# Allegro board RK3588S_Template_LP4XD200P232SD10H2_30X30_2133MHz_H1R6_V11_20220218YWQ.brd (continued)
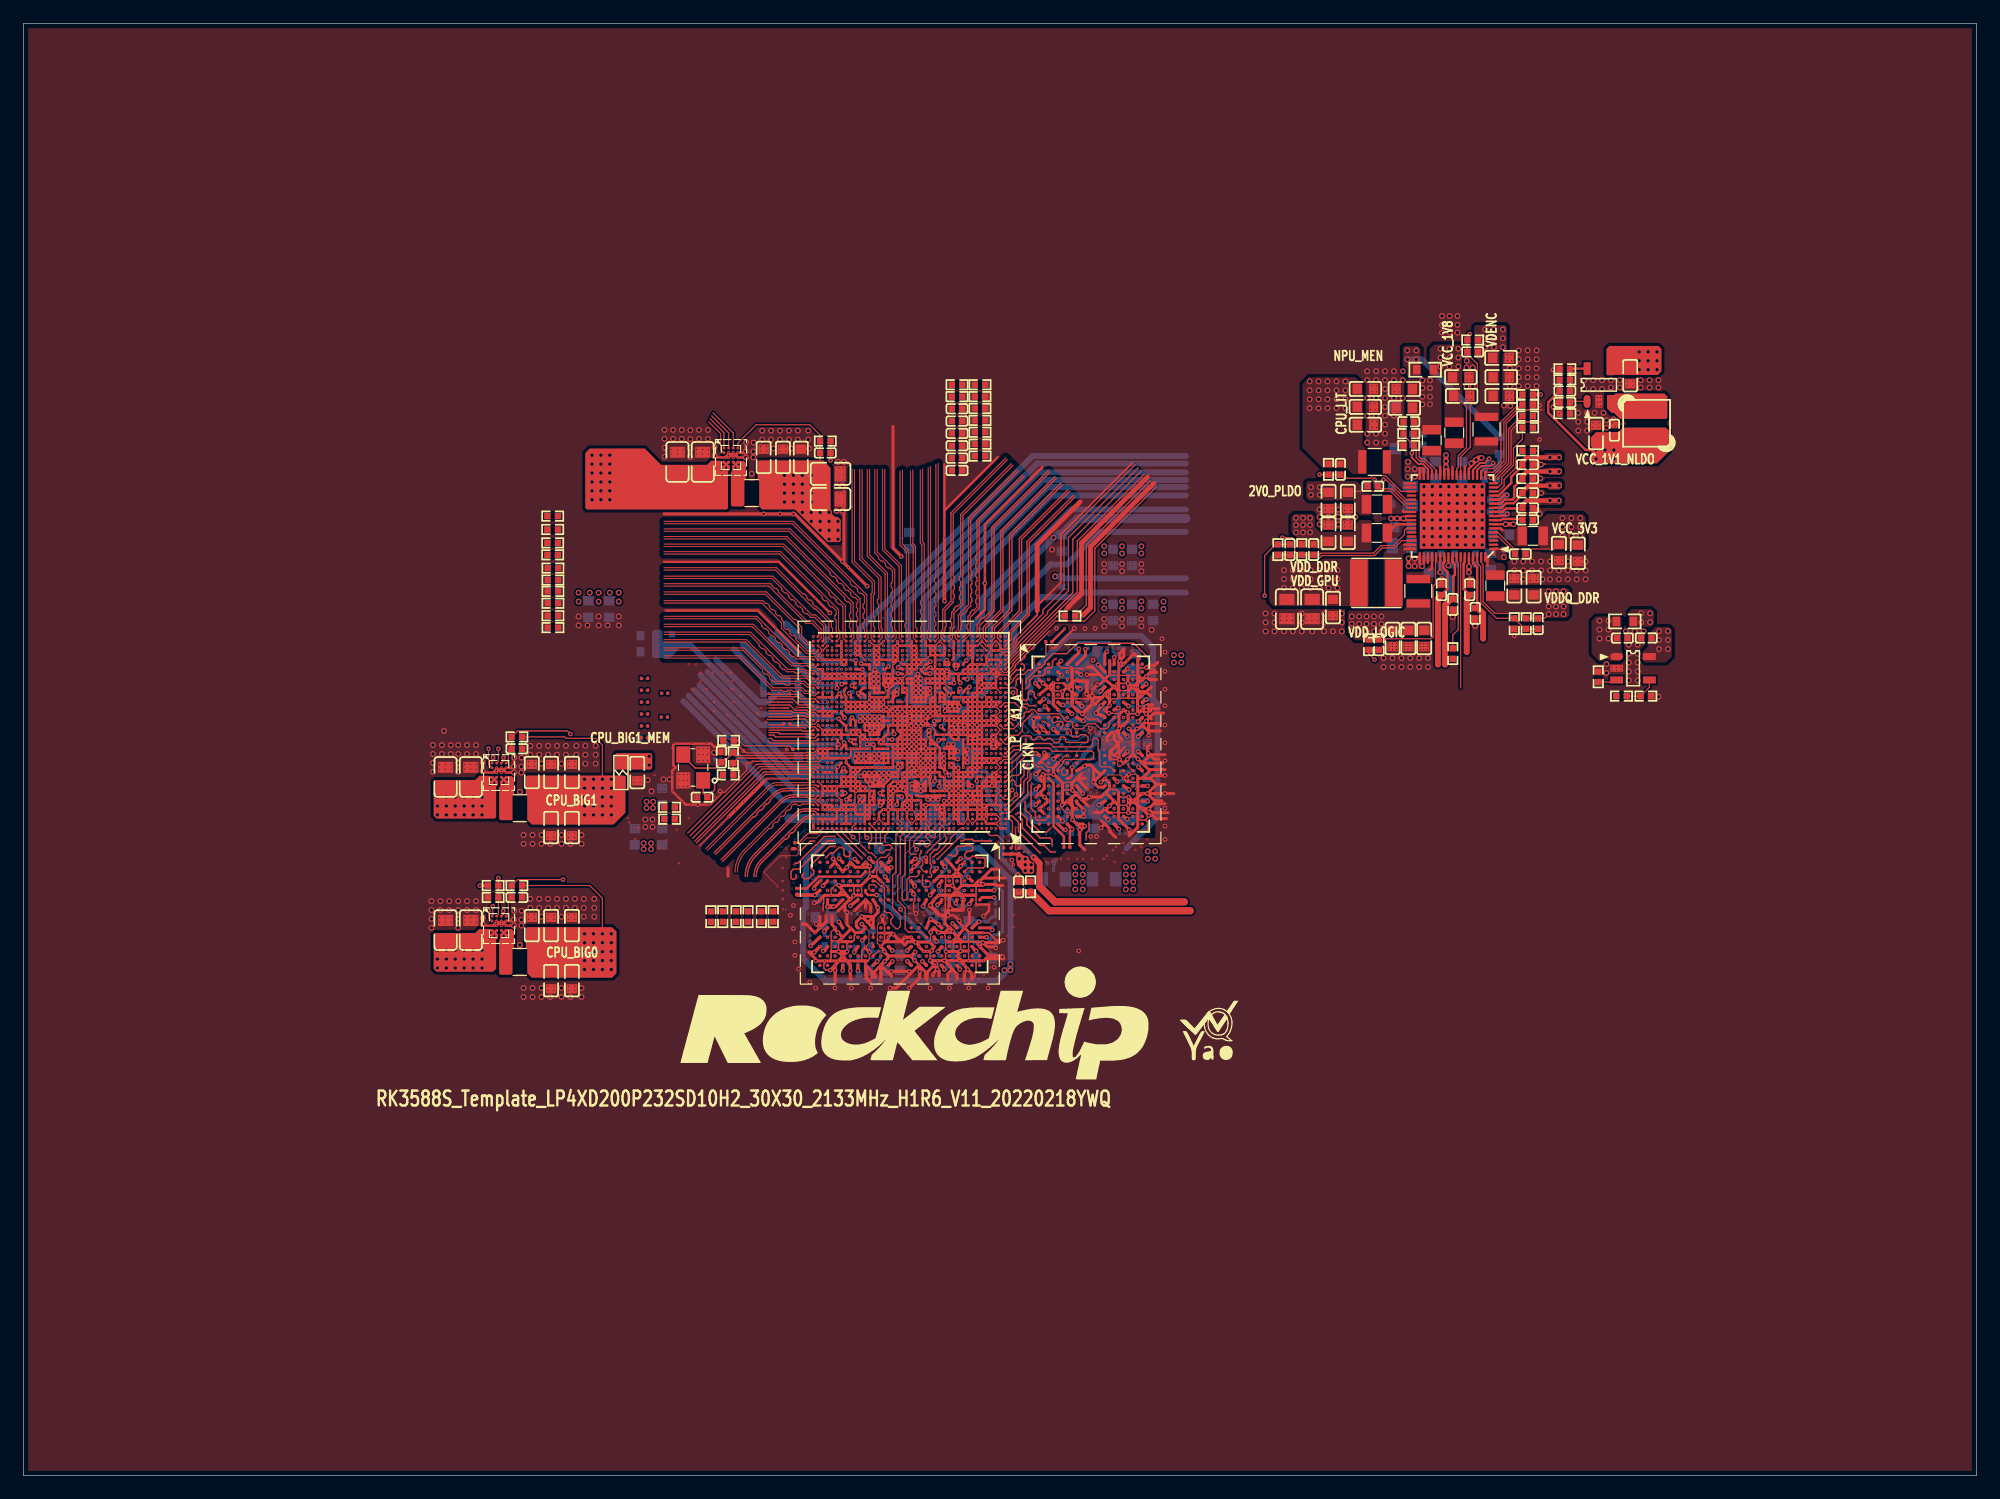
[diagram p0: board, top side]
## Routing (per net, layer and track width the routed paths; a pad name or vN(x,y) marks a point on that pad's centre or on a via; arc(x,y) is an arc through that point) (continued)
  TOP w0.203: v7(75.89,69.7) v2(75.89,69.3) ; v7(75.89,69.7) v7(75.89,70.1) ; v7(75.89,69.7) v7(76.69,69.7) ; v2(75.89,69.3) v2(76.29,69.3) ; v2(75.89,69.3) v7(75.49,69.3) ; v2(75.89,69.3) v2(75.89,68.9) ; v7(83.09,68.5) v7(83.09,68.9) v2(82.69,68.9) 82.69,68.57 82.63,68.5 ; v7(83.09,68.5) v2(83.49,68.5) ; v7(83.09,68.5) v7(82.69,68.5) 82.63,68.5 ; v7(83.09,68.5) v2(83.09,68.1) 83.09,67.74 ; v2(74.29,67.7) 74.29,67.53 73.89,67.13 ; v2(74.29,67.7) v2(75.09,67.7) ; v2(74.29,67.7) U1000.AM27 ; v2(74.29,67.7) 74.08,67.91 v1(73.9,67.91) 73.7,67.91 U1000.AM27 ; v2(74.29,67.7) v2(74.29,68.1) ; v7(83.09,66.1) v7(83.09,65.7) v7(82.69,65.7) ; v2(81.89,63.3) v2(81.49,63.3) ; v2(81.89,63.3) v7(81.89,62.9) ; v2(81.89,63.3) v2(81.89,63.7) ; v2(81.49,63.3) 81.49,63.15 ; v2(81.49,63.3) v2(81.09,63.3) ; v2(81.49,63.3) v2(81.49,63.7) ; v2(75.09,63.7) v2(74.69,63.7) ; v2(75.09,63.7) v7(75.09,64.1) ; v2(75.09,63.7) v2(75.09,63.3) ; v2(75.09,63.7) v7(75.49,63.7) ; v2(74.69,63.7) v2(75.09,63.3) ; v2(74.69,63.7) v7(74.69,64.1) ; v7(81.53,45.61) 81.91,45.61 v1(81.99,45.54) 81.99,45.49 v2(81.7,45.2) 81.53,45.37 v7(81.53,45.61) ; v7(81.53,45.61) v7(80.77,45.61) 80.26,45.61 ; v2(77.89,70.1) 77.49,70.1 v7(77.49,70.5) ; v2(77.89,70.1) v7(77.89,70.5) ; v2(77.89,70.1) v7(78.29,70.1) v2(78.69,70.1) v7(78.69,70.5) v7(78.69,70.9) ; v2(77.89,70.1) v7(77.89,69.7) v2(77.89,69.3) v2(77.89,68.9) ; 74.69,70.94 v2(74.69,71.3) ; 74.69,70.94 v7(74.69,70.54) ; 74.69,70.94 v1(74.66,70.9) ; v1(76.29,62.5) 76.29,62.09 v1(76.3,62.08) ; v1(76.29,62.5) v2(76.69,62.5) ; v1(76.29,62.5) v1(76.29,62.9) ; v1(76.29,62.5) v1(75.89,62.5) ; U1000.U20 76.3,61.71 v1(76.3,62.08) ; U1000.U20 76.29,61.67 ; U1000.U20 v7(77.09,61.7) ; v2(75.09,63.3) 75.01,63.3 74.69,62.98 v2(74.69,62.9) ; v2(75.09,63.3) v7(75.49,63.3) ; v2(75.09,63.3) v7(75.09,62.9) ; v7(82.68,64.52) v7(82.31,64.52) U1000.AD5 ; v7(82.68,64.52) v2(83.08,64.52) U1000.AD3 ; v7(82.68,64.52) 82.69,64.5 v7(82.69,64.1) ; v7(82.68,64.52) 82.68,64.87 v7(82.69,64.89) 82.73,64.92 v2(83.08,64.92) 83.09,64.91 U1000.AD3 ; v2(79.49,63.3) 79.07,63.3 ; v2(79.49,63.3) v2(79.89,63.3) ; v2(79.49,63.3) v2(79.49,63.7) ; 79.07,63.3 79.47,62.9 v2(79.89,62.9) v2(79.89,63.3) ; 79.07,63.3 v2(78.69,63.3) v2(78.29,63.3) v2(77.89,63.3) v2(77.89,63.7) ; 79.07,63.3 79.13,63.36 v2(79.13,63.7) ; v7(81.09,70.5) v7(80.69,70.5) ; v7(81.09,70.5) v2(81.09,70.1) ; v7(81.09,70.5) v7(81.09,70.9) ; v7(80.69,70.5) v2(80.69,70.1) v2(81.09,70.1) ; v7(80.69,70.5) v7(80.69,70.9) ; v2(79.89,58.9) v2(79.49,58.9) v2(79.09,58.9) ; v2(79.89,58.9) v1(79.89,58.5) ; v2(79.89,58.9) v2(79.89,59.3) ; v2(79.89,58.9) v2(80.29,58.9) ; v2(71.09,65.7) 71.09,66.08 71.07,66.1 ; v2(71.09,65.7) v2(71.09,65.3) ; v2(71.09,65.7) v2(70.69,65.7) ; v2(71.09,65.7) v2(71.49,65.7) ; v7(80.69,68.9) v7(80.37,68.9) 80.29,68.82 v2(80.29,68.5) ; v7(80.69,68.9) 80.69,69.1 80.9,69.3 v2(81.09,69.3) ; v7(80.69,68.9) v2(80.69,68.5) ; v7(80.69,68.9) v7(81.15,68.9) v7(81.48,68.9) 81.49,68.88 ; v2(75.09,67.3) v7(75.49,67.3) v7(75.49,66.9) ; v2(75.09,67.3) v2(75.09,67.7) ; v2(75.09,67.3) 75.09,66.9 v7(75.49,66.9) ; v3(73.56,45.54) 73.25,45.23 U3801.P10 ; v2(93.19,61.52) 93.31,61.52 93.58,61.26 ; v2(93.19,61.52) 93.58,61.91 93.58,62.59 v2(93.73,62.74) ; v2(93.19,61.52) 92.94,61.77 ; v2(78.69,64.9) v2(79.09,64.9) ; v2(78.69,64.9) v2(77.89,64.9) ; v2(78.69,64.9) v7(78.69,64.5) v2(79.09,64.5) ; v2(79.09,64.9) v2(79.49,64.9) ; v2(79.09,64.9) v2(79.09,64.5) ; v2(76.71,60.12) 76.71,59.72 v7(76.69,59.7) ; v2(76.71,60.12) 76.69,60.14 v7(76.69,60.5) ; v2(76.71,60.12) 76.63,60.05 v1(76.4,60.05) ; v2(76.71,60.12) 76.73,60.1 v2(77.09,60.1) ; v1(73.51,65.66) 73.51,66.01 v1(73.46,66.07) 73.42,66.1 v2(73.09,66.1) ; v1(73.51,65.66) 73.47,65.7 v7(73.09,65.7) ; v1(73.51,65.66) 73.53,65.63 v1(73.96,65.63) ; v1(72.38,57.88) 72.6,58.1 v2(72.69,58.1) ; v1(72.38,57.88) 72.29,57.96 v2(72.29,58.5) ; v1(72.38,57.88) 72.29,57.79 72.29,57.3 ; v1(72.38,57.88) 72.55,57.7 v2(72.69,57.7) ; v7(76.69,59.7) 76.71,59.68 v2(76.71,59.39) ; v7(76.69,59.7) 76.68,59.72 76.43,59.72 ; v7(76.69,59.7) v7(77.09,59.7) ; v2(77.49,65.7) v2(77.49,66.1) ; v2(77.49,65.7) v2(77.89,65.7) ; v2(77.49,65.7) v7(77.49,65.3) ; v2(77.49,65.7) v2(77.09,65.7) ; v2(77.49,66.1) v2(77.89,66.1) ; v2(77.49,66.1) v2(77.49,66.42) 77.62,66.42 77.7,66.5 v2(77.89,66.5) ; v7(73.89,58.5) v7(73.89,58.9) ; v7(73.89,58.5) v7(73.89,58.09) ; v7(73.89,58.5) 74.35,58.5 ; v7(73.89,58.9) v2(74.29,58.9) ; v7(73.89,58.9) 74.29,59.3 v7(74.69,59.3) ; v2(73.49,62.9) v2(72.29,62.9) v2(71.89,62.9) ; v2(73.49,62.9) v7(73.49,62.51) 73.48,62.5 ; v2(73.49,62.9) 73.49,63.1 73.7,63.3 v2(73.89,63.3) v7(73.89,64.1) v7(74.29,64.1) ; v1(81.06,64.15) 80.46,64.15 v1(80.42,64.11) ; v1(81.06,64.15) 81.09,64.19 ; v1(81.06,64.15) v1(81.46,64.15) ; v2(79.09,64.5) v2(79.49,64.5) ; v2(79.09,64.5) 79.09,64.06 ; v2(79.49,64.5) 79.49,64.27 ; v2(79.49,64.5) v2(79.89,64.5) ; v2(79.49,64.5) v2(79.49,64.9) ; v2(75.49,57.7) 75.38,57.7 75.09,57.41 v2(75.09,57.3) ; v2(75.49,57.7) v2(75.49,58.1) ; v2(75.49,57.7) v2(75.49,56.5) v7(75.49,56.1) ; v2(75.49,57.7) v2(75.89,57.7) ; v7(75.49,58.9) v7(75.09,58.9) ; v7(75.49,58.9) v2(75.49,59.3) ; v7(75.49,58.9) v2(75.49,58.5) ; v7(75.09,58.9) 75.09,58.66 v1(75.18,58.57) ; v7(75.09,58.9) 74.75,58.9 v1(74.73,58.93) 74.69,58.96 ; v7(75.09,58.9) v2(74.29,58.9) ; v7(75.09,58.9) v2(75.09,59.3) ; v2(73.09,66.5) v2(73.49,66.5) ; v2(73.09,66.5) v2(72.69,66.5) ; v2(73.09,66.5) v2(73.09,66.1) ; v2(73.49,66.5) v7(73.49,65.3) ; v2(73.49,66.5) v2(73.89,66.5) v2(73.89,66.9) 73.89,67.13 ; v2(70.29,65.7) v2(70.69,65.7) ; v2(70.29,65.7) v2(70.29,65.3) v2(70.69,65.3) ; v2(70.29,65.7) v7(70.29,66.1) ; v2(70.69,65.7) v2(70.69,65.3) ; v2(70.69,65.7) 70.69,66.1 v7(70.69,66.1) ; v7(69.89,70.9) v7(69.49,70.9) ; v7(69.89,70.9) v7(69.89,70.5) v2(69.89,70.1) v7(69.89,69.7) ; v7(69.89,70.9) v7(69.89,71.3) ; v1(72.26,65.66) 72.22,65.7 v2(71.89,65.7) ; v1(72.26,65.66) 72.3,65.7 v7(72.69,65.7) ; v1(72.26,65.66) v1(72.26,66.07) ; v2(75.89,65.3) v2(75.54,65.3) 75.49,65.26 ; v2(75.89,65.3) v2(75.89,65.7) ; v2(75.89,65.3) v7(76.29,65.3) ; v2(75.89,65.3) 75.89,64.01 ; 77.43,64.1 v2(77.09,64.1) ; 77.43,64.1 v2(77.49,64.1) ; 77.43,64.1 v1(77.06,64.47) ; v2(77.09,64.1) 77.06,64.13 v1(77.06,64.47) ; v2(77.09,64.1) 76.72,64.1 76.69,64.07 ; v2(81.09,65.3) v2(81.09,64.9) v2(81.09,64.5) ; v2(81.09,65.3) v2(80.69,65.3) ; v2(81.09,65.3) v2(81.09,65.7) ; v2(81.09,65.3) v2(81.49,65.3) ; 74.57,68.1 74.6,68.07 74.68,68.07 v1(74.73,68.02) ; 74.57,68.1 v2(74.29,68.1) ; 74.57,68.1 v2(75.09,68.1) v2(75.09,67.7) ; U1000.V19 76.67,62.08 v1(76.3,62.08) ; U1000.V19 v2(76.69,62.5) ; U1000.V19 77.09,62.1 v1(77.11,62.13) ; U1000.V19 76.69,61.71 v1(76.66,61.67) v1(76.66,61.26) ; v2(81.89,68.1) v2(81.89,66.9) v2(81.49,66.9) ; v2(81.89,68.1) v2(81.89,68.5) ; v2(81.89,68.1) v2(81.49,68.1) ; v7(74.69,59.3) 74.69,58.96 ; v7(74.69,59.3) v2(75.09,59.3) ; v2(74.29,57.7) 74.22,57.63 v7(74.22,57.33) ; v2(74.29,57.7) 73.92,57.7 v2(73.89,57.67) v7(73.89,57.33) ; v2(74.29,57.7) v2(74.29,58.1) ; v2(73.09,69.7) 73.1,69.69 v2(73.1,69.27) 72.73,69.27 v2(72.69,69.3) v7(72.69,69.7) ; v2(73.09,69.7) v7(72.69,69.7) ; v2(73.09,69.7) 73.09,70.21 ; v2(73.09,69.7) v2(74.29,69.7) ; v1(75.9,60.45) 75.89,60.46 v7(75.89,60.9) ; v1(75.9,60.45) v1(76.3,60.45) ; v1(75.9,60.45) 75.89,60.45 v7(75.89,60.1) ; v7(70.29,68.5) v7(70.69,68.5) ; v7(70.29,68.5) v2(70.29,68.1) ; v7(70.29,68.5) 70.02,68.5 ; v7(70.69,68.5) v7(71.09,68.5) ; v7(70.69,68.5) v2(70.69,68.1) ; v2(70.69,65.3) v2(71.09,65.3) ; v1(75.89,62.5) v1(75.89,62.9) v1(75.89,63.3) ; v1(75.89,62.5) 75.89,62.08 v1(75.9,62.08) ; v1(75.89,62.5) v7(75.49,62.5) ; v2(76.5,43.6) 76.5,43.66 v1(76.15,44.01) 75.85,44.31 v2(75.85,44.4) ; v1(80.91,63.01) 81.02,62.9 v7(81.89,62.9) ; v1(80.91,63.01) 81.09,63.2 ; v1(80.91,63.01) 80.69,63.22 ; v2(82.69,67.69) 83.04,67.69 83.09,67.74 ; 93.58,67.88 v7(93.58,68.39) v7(93.58,69.15) ; 71.49,65.8 71.49,66.06 71.45,66.1 ; 71.49,65.8 v2(71.49,65.7) ; 71.49,65.8 v1(71.68,65.99) 71.89,65.78 ; v2(77.89,61.3) 77.89,61.31 v7(77.89,61.7) ; v2(77.89,61.3) 77.89,61.3 v7(77.89,60.9) ; v2(77.89,61.3) 77.52,61.3 77.49,61.33 ; v7(81.89,62.1) v2(81.89,61.7) ; v7(81.89,62.1) v7(81.49,62.1) ; v7(81.89,62.1) v7(81.89,62.9) ; v2(81.89,61.7) v7(81.89,60.5) v2(81.49,60.5) ; v2(81.89,61.7) v2(81.49,61.7) ; v1(76.66,61.26) v1(76.66,60.86) ; v1(76.66,61.26) 76.62,61.3 v2(76.29,61.3) ; v1(76.66,61.26) 76.69,61.3 v2(77.09,61.3) ; v1(76.66,60.86) 76.66,60.53 v7(76.69,60.5) ; v1(76.66,60.86) 77.04,60.86 v1(77.06,60.88) ; v1(76.66,60.86) 76.62,60.9 v2(76.29,60.9) ; v1(77.06,64.47) 77.49,64.89 v1(77.49,64.9) ; v1(77.06,64.47) 77.03,64.5 v7(76.69,64.5) ; v1(77.06,64.47) v1(77.06,64.87) ; v7(81.49,62.5) 81.49,63.15 ; v7(81.49,62.5) v7(81.49,62.1) ; v7(81.49,62.5) v7(82.29,62.5) ; v7(81.49,62.5) v7(81.09,62.5) ; 81.49,63.15 v1(81.33,62.99) 81.09,63.23 ; v2(75.89,65.7) v2(76.29,65.7) ; v2(75.89,65.7) v2(75.49,65.7) ; v2(76.29,65.7) v7(76.29,65.3) ; v2(76.29,65.7) v2(76.69,65.7) ; v7(75.49,60.1) v7(75.49,59.7) ; v7(75.49,60.1) 75.21,60.1 75.09,59.98 v7(75.09,59.7) ; v7(75.49,60.1) v7(75.89,60.1) ; v7(75.49,60.1) 75.49,60.5 ; v7(75.49,59.7) v2(75.49,59.3) ; v7(75.49,59.7) v7(75.89,59.7) ; v7(75.49,59.7) v7(75.09,59.7) ; v2(81.09,70.1) v2(81.09,69.7) v2(81.09,69.3) ; v2(75.89,57.3) v2(75.89,56.9) v2(75.09,56.9) ; v2(75.89,57.3) v2(75.89,57.7) ; v2(75.89,57.3) 75.52,57.3 v1(75.51,57.3) 75.51,57.3 v2(75.09,57.3) ; v2(79.75,46) 79.86,46 v2(80.01,45.85) 80.14,45.72 80.14,45.61 80.04,45.71 ; v7(77.49,60.5) v2(77.49,60.1) ; v7(77.49,60.5) v7(77.09,60.5) ; v7(77.49,60.5) v1(77.49,60.9) ; v7(77.49,60.5) v7(77.89,60.5) ; v2(77.49,60.1) v7(77.49,59.7) ; v2(77.49,60.1) v2(77.89,60.1) ; v2(77.49,60.1) v2(77.09,60.1) ; 73.89,67.13 73.79,67.23 v1(73.77,67.23) 73.77,67.25 73.49,67.53 U1000.AM27 ; 73.89,67.13 73.89,68.47 73.86,68.5 ; 81.09,64.19 v2(81.09,63.7) ; 81.09,64.19 v2(81.09,64.5) ; v2(74.69,62.5) v2(73.89,62.5) 73.48,62.5 ; v2(74.69,62.5) v7(75.09,62.5) ; v2(74.69,62.5) v7(74.69,62.1) ; v2(74.69,62.5) v2(74.69,62.9) ; v7(72.69,70.5) v7(72.69,70.9) v7(73.09,70.9) v7(73.09,70.5) ; v7(72.69,70.5) v7(72.69,70.1) ; v7(72.69,70.5) v7(73.09,70.5) ; 71.07,63.3 71.09,63.32 v2(71.09,63.7) ; 71.07,63.3 v2(71.89,63.3) v2(71.89,62.9) ; 71.07,63.3 v7(70.69,63.3) ; 71.07,66.1 v7(71.09,66.1) 71.45,66.1 ; 71.07,66.1 v7(70.69,66.1) ; v7(82.29,66.1) v2(81.86,66.1) ; v7(82.29,66.1) U1000.AJ5 ; v7(82.29,66.1) v7(82.29,65.7) ; v7(82.29,66.1) v7(82.69,66.1) ; v2(81.86,66.1) U1000.AH7 ; v2(81.86,66.1) 81.89,66.07 v2(81.89,65.7) ; U1000.AM27 73.49,68.1 ; v7(74.69,64.1) v7(74.69,64.5) ; v7(74.69,64.1) v7(74.29,64.1) ; v7(74.69,64.1) v7(75.09,64.1) ; v7(74.69,64.5) v7(74.29,64.5) ; v7(74.69,64.5) v2(74.69,64.9) ; v7(74.69,64.5) v7(75.09,64.5) ; v7(77.09,60.5) v7(76.69,60.5) ; v7(77.09,60.5) 77.09,60.86 v1(77.06,60.88) ; v7(77.09,60.5) v2(77.09,60.1) ; v7(68.69,61.3) v7(69.09,61.3) v7(69.49,61.3) v2(69.89,61.3) v2(70.29,61.3) v2(70.29,60.9) U1000.P34 ; v7(68.69,61.3) v7(68.69,61.7) ; v7(68.69,61.3) v7(68.29,61.3) v7(68.29,61.7) ; 82.37,57.3 v7(82.69,57.3) v7(83.09,57.3) ; 82.37,57.3 82.3,57.22 v2(82.3,56.9) ; 82.37,57.3 v2(81.49,57.3) ; v2(77.89,68.5) v2(78.29,68.5) ; v2(77.89,68.5) v2(77.89,67.7) ; v2(77.89,68.5) v2(77.89,68.9) ; v2(78.29,68.5) v2(78.29,68.1) v7(78.29,67.7) ; v2(78.29,68.5) v2(79.49,68.5) v2(79.89,68.5) ; v2(78.29,68.5) v2(78.29,68.9) ; v7(79.88,56.9) 79.89,56.89 v2(79.89,56.5) ; v7(79.88,56.9) v7(79.88,57.28) ; v7(79.88,56.9) 79.89,56.9 v2(80.29,56.9) ; v7(79.88,56.9) 79.5,56.9 v7(79.49,56.9) ; v7(74.22,57.33) 74.22,56.97 v2(74.29,56.9) ; v7(74.22,57.33) v7(73.89,57.33) ; v1(77.11,62.13) 77.09,62.15 v2(77.09,62.5) ; v1(77.11,62.13) 77.14,62.1 v7(77.49,62.1) ; v1(77.11,62.13) 77.11,61.72 v7(77.09,61.7) ; v2(81.49,68.1) 81.49,67.99 ; v2(81.49,68.1) v2(81.49,68.5) ; 81.49,67.99 81.49,67.36 ; 81.49,67.99 81.71,67.77 v1(81.79,67.77) 81.86,67.7 v2(82.29,67.7) ; v1(79.1,57.66) v1(78.66,57.66) 78.69,57.63 v2(78.69,57.3) ; v1(79.1,57.66) 79.1,58.09 ; v1(79.1,57.66) 79.1,57.3 v2(79.09,57.3) ; v1(79.1,57.66) 79.45,57.66 v7(79.49,57.7) v2(79.88,57.7) ; v7(76.29,65.3) v2(76.29,64.9) ; v7(76.29,65.3) v7(76.69,65.3) ; v2(77.89,66.1) v2(77.89,66.5) ; v2(77.89,66.1) v2(77.89,65.7) ; v2(77.89,66.5) U1000.AK16 v7(77.89,67.3) ; v7(75.89,70.9) v7(76.29,70.9) v7(76.29,70.5) ; v7(75.89,70.9) v7(75.89,70.5) ; v7(75.89,70.9) v7(75.49,70.9) v7(75.09,70.9) v1(74.66,70.9) ; v7(75.89,70.9) v2(75.89,71.3) ; 81.49,64.18 v2(81.49,64.9) ; 81.49,64.18 v2(81.49,63.7) ; 81.49,64.18 v1(81.46,64.15) ; v2(81.49,64.9) v2(81.49,65.3) ; v2(81.49,64.9) v7(81.89,64.9) ; v2(81.49,64.9) v2(80.69,64.9) ; v2(83.49,62.5) 82.9,62.5 v1(82.87,62.53) 82.86,62.53 82.84,62.5 v7(82.29,62.5) ; v2(71.49,62.9) v2(71.49,63.7) v2(71.09,63.7) ; v2(71.49,62.9) v2(71.89,62.9) ; v2(71.49,62.9) v7(71.49,62.48) v2(71.49,62.1) ; v2(71.09,59.7) v2(70.69,59.7) ; v2(71.09,59.7) v2(71.09,60.1) ; v2(71.09,59.7) v2(71.09,59.3) ; v2(70.69,59.7) v2(70.69,60.1) ; v2(70.69,59.7) v2(70.69,59.3) ; v2(70.69,59.7) v2(70.29,59.7) ; v7(77.49,59.7) v7(77.09,59.7) ; v7(77.49,59.7) 77.49,59.56 77.44,59.5 77.44,59.22 77.49,59.16 v2(77.49,58.9) 77.49,58.52 77.52,58.5 v2(77.89,58.5) v2(78.29,58.5) v2(78.69,58.5) ; v7(77.09,59.7) v2(77.09,60.1) ; 78.69,56.64 v2(78.69,57.3) ; 78.69,56.64 v1(78.51,56.82) ; 78.69,56.64 v2(78.69,56.5) ; v2(78.69,57.3) v2(79.09,57.3) ; v2(78.69,57.3) v2(78.29,57.3) ; 79.09,64.06 79.5,64.06 v1(79.6,64.16) ; 79.09,64.06 79.09,63.73 v2(79.13,63.7) ; 69.93,63.3 v2(69.49,63.3) ; 69.93,63.3 v7(70.69,63.3) ; 69.93,63.3 69.89,63.33 ; v2(69.49,63.3) v2(69.49,63.7) ; v2(69.49,63.3) v7(69.09,63.3) ; v2(70.29,59.3) v2(70.29,58.9) ; v2(70.29,59.3) v2(70.29,59.7) ; v2(70.29,59.3) v2(70.69,59.3) ; v2(70.29,59.3) v2(69.89,59.3) ; v2(70.29,58.9) v2(69.92,58.9) ; v2(70.29,58.9) v2(70.69,58.9) ; v2(71.09,68.1) v2(70.69,68.1) ; v2(71.09,68.1) v2(71.49,68.1) v2(71.89,68.1) ; v2(71.09,68.1) v7(71.09,68.5) ; v2(70.69,68.1) v2(70.29,68.1) ; v2(75.49,58.1) v7(75.89,58.1) v2(75.89,57.7) ; v2(75.49,58.1) v2(75.49,58.5) ; v2(74.29,65.7) 74.23,65.63 v1(73.96,65.63) ; v2(74.29,65.7) 74.29,65.33 v1(74.27,65.3) ; v2(74.29,65.7) v2(74.69,65.7) ; v1(79.89,58.5) v2(80.29,58.5) ; v1(79.89,58.5) v2(79.89,58.1) ; v1(79.89,58.5) v2(79.49,58.5) 79.17,58.5 v1(79.13,58.54) ; v2(80.29,58.5) v2(80.69,58.5) ; v2(80.29,58.5) v2(80.29,58.9) ; v2(80.29,58.5) v2(80.29,57.7) ; v2(77.09,71.3) v2(77.09,70.9) v7(77.49,70.9) ; v2(71.49,68.5) v2(71.89,68.5) v2(71.89,68.1) ; v2(71.49,68.5) v7(71.09,68.5) ; v2(71.49,68.5) v7(71.49,67.7) v7(71.89,67.7) v2(71.89,68.1) ; v7(75.09,62.5) v7(75.09,62.1) ; v7(75.09,62.5) v7(75.09,62.9) ; v7(75.09,62.5) v7(75.49,62.5) ; v2(80.69,65.3) v2(80.69,64.9) ; v2(80.69,65.3) v2(80.29,65.3) v2(80.29,64.9) ; v2(80.69,65.3) U1000.AH9 v7(80.69,66.15) ; v2(80.69,64.9) v2(80.69,64.5) ; v2(80.69,64.9) v2(80.29,64.9) ; v2(80.29,59.7) v2(79.49,59.7) ; v2(80.29,59.7) v2(80.69,59.7) ; v2(80.29,59.7) 80.29,60.05 80.34,60.1 ; v2(80.29,59.7) v2(80.29,59.3) ; v2(77.89,57.3) v2(76.69,57.3) ; v2(77.89,57.3) v2(78.29,57.3) ; v2(77.89,57.3) v7(77.89,56.9) 78.43,56.9 v1(78.51,56.82) ; v2(76.69,57.3) v2(76.69,57.67) 76.67,57.7 v2(76.29,57.7) v2(75.89,57.7) ; v2(76.69,57.3) v7(76.69,56.9) ; v7(68.05,49.2) 68.05,49.18 67.82,48.94 v1(67.56,48.94) ; v2(77.89,68.9) 77.64,68.9 v1(77.5,69.04) 77.32,69.04 77.18,68.9 v2(77.09,68.9) ; v2(77.89,68.9) v2(78.29,68.9) ; 74.69,58.96 U1000.J24 ; v7(76.29,64.5) v2(76.29,64.9) ; v7(76.29,64.5) 76.26,64.46 v1(76.26,64.05) ; v7(76.29,64.5) 75.78,64.5 v1(75.74,64.47) ; v7(76.29,64.5) v7(76.69,64.5) ; v2(76.29,64.9) 75.72,64.9 v1(75.72,64.9) 75.71,64.9 U1000.AE22 ; v2(76.29,64.9) U1000.AE19 ; v7(75.49,62.5) v7(75.49,62.9) ; v7(75.49,62.5) 75.49,62.08 v1(75.49,62.08) ; v7(75.49,62.9) v1(76.29,62.9) ; v7(75.49,62.9) v7(75.49,63.3) ; v7(75.49,62.9) v7(75.09,62.9) ; v5(59.05,87.12) 59.18,87 v2(59.85,87) v2(60.25,87) v2(60.65,87.39) v2(61.05,87) v5(61.72,87) ; v7(82.69,66.1) 82.69,66.49 v2(82.69,66.5) v2(82.29,66.5) ; v7(82.69,66.1) v7(83.49,66.1) ; v7(82.69,66.1) v7(82.69,65.7) ; v2(78.69,56.1) U1000.C15 v2(78.29,56.13) 78.29,56.6 ; v2(78.69,56.1) v2(78.69,56.5) ; v2(78.69,56.1) v7(78.69,55.7) ; v7(76.69,60.5) 76.64,60.45 v1(76.3,60.45) ; v7(76.69,60.5) v7(75.49,60.5) 75.49,60.5 ; v7(68.29,65.3) v7(68.29,64.9) v7(68.69,64.9) ; v7(68.29,65.3) v2(68.29,65.7) ; v7(68.29,65.3) v7(67.89,65.3) ; v7(68.29,65.3) v7(68.69,65.3) ; v1(76.3,60.45) 76.29,60.46 v2(76.29,60.9) ; v1(76.3,60.45) 76.3,60.15 76.35,60.1 ; v2(79.49,60.5) 79.49,56.1 v7(79.49,56.1) v2(79.89,56.1) ; v2(79.49,60.5) v2(79.09,60.5) v2(79.09,60.9) v2(79.49,60.9) v2(79.49,60.5) ; v2(79.49,60.5) 79.81,60.5 v1(79.86,60.45) 79.89,60.42 v2(79.89,60.1) ; v7(83.89,55.3) v7(83.49,55.3) ; v7(68.69,61.7) v7(68.69,62.1) ; v7(68.69,61.7) v7(68.29,61.7) ; v2(80.29,63.7) 80.29,63.99 v1(80.42,64.11) ; v2(80.29,63.7) v2(80.29,63.3) ; v2(80.29,63.7) v2(80.69,63.7) ; v2(80.29,63.7) v2(79.89,63.7) ; 55.52,62.15 55.52,62.43 v2(55.63,62.53) v2(57.1,62.53) v2(58.37,62.53) 58.75,62.53 59,62.28 v2(59.45,62.28) ; 55.52,62.15 55.45,62.15 ; 55.52,62.15 v2(55.52,61.65) 55.52,60.68 55.7,60.5 55.43,60.23 v2(55.43,59.87) v2(55.43,58.49) v2(55.83,58.09) v2(56.34,57.58) 56.59,57.33 v2(56.97,57.33) v1(57.61,57.33) v2(58.5,57.33) ; v2(76.29,63.7) v2(76.69,63.7) ; v2(76.29,63.7) v2(75.89,63.7) ; v2(76.29,63.7) 76.26,63.74 v1(76.26,64.05) ; v2(76.29,63.7) v1(76.29,63.3) ; v2(76.69,63.7) 76.66,63.73 v1(76.66,64.03) ; v2(76.69,63.7) v7(76.69,63.3) ; v7(74.69,70.15) 74.64,70.1 v7(74.29,70.1) ; v7(74.69,70.15) v2(74.69,69.7) 74.68,69.7 ; v7(74.69,70.15) v7(74.69,70.54) ; v7(68.69,65.3) v7(68.69,64.9) ; v7(68.69,65.3) v7(69.09,65.3) ; v7(68.69,64.9) v7(69.09,64.9) v7(69.09,65.3) ; v2(78.69,56.5) v2(78.29,56.5) ; v7(68.29,62.1) v7(67.89,62.1) v7(67.89,61.7) v7(68.29,61.7) ; v7(68.29,62.1) v7(68.69,62.1) ; v7(68.29,62.1) v7(68.29,61.7) ; v7(77.49,61.7) v7(77.89,61.7) ; v7(77.49,61.7) 77.49,61.38 v2(77.47,61.35) 77.49,61.33 ; v7(77.49,61.7) v7(77.49,62.1) ; v7(77.49,61.7) v7(77.09,61.7) ; v7(77.89,61.7) v2(77.89,62.1) v7(77.49,62.1) ; v7(77.89,60.9) v1(77.49,60.9) ; v7(77.89,60.9) v7(77.89,60.5) ; v2(71.49,62.1) v2(72.29,62.1) ; v2(71.49,62.1) v2(71.09,62.1) v7(70.72,62.1) U1000.V34 ; v7(71.09,70.9) v7(71.49,70.9) v7(71.49,70.5) ; v7(71.09,70.9) v7(71.09,70.5) ; v7(71.09,70.9) v7(71.09,71.3) ; v1(80.04,67.74) 80.04,67.82 79.89,67.96 v2(79.89,68.1) v2(79.89,68.5) ; v7(68.29,55.7) 68.29,56.08 68.28,56.1 ; 69.89,63.33 v7(69.89,63.7) v2(69.49,63.7) ; 69.89,63.33 69.89,62.95 v2(69.89,62.95) ; v7(77.89,67.3) v2(77.89,67.7) ; v7(77.89,67.3) v7(78.29,67.3) v7(78.29,67.7) ; v2(77.89,67.7) v2(77.49,67.7) ; v2(77.89,67.7) v7(78.29,67.7) ; v2(69.92,58.9) v2(69.47,58.9) 69.49,58.87 v2(69.49,58.47) ; v2(69.92,58.9) U1000.K36 ; v2(69.92,58.9) 69.89,58.93 v2(69.89,59.3) ; v5(41.94,61.34) 41.91,61.32 v5(41.91,60.58) 41.8,60.47 v2(41.24,60.47) v2(40.84,60.07) 40.44,60.47 v2(40.44,60.47) ; v2(80.29,64.9) v2(80.29,64.5) ; v2(80.29,64.9) v2(79.89,64.9) ; 73.09,70.21 v1(73.03,70.15) 72.98,70.1 v7(72.69,70.1) ; 73.09,70.21 v7(73.09,70.5) ; 76.35,60.1 v7(75.89,60.1) ; 76.35,60.1 v1(76.4,60.05) ; 70.02,68.5 v1(69.95,68.43) 69.93,68.4 v2(69.93,68.12) ; 70.02,68.5 v7(69.49,68.5) ; v2(77.49,68.1) v2(77.49,67.7) ; v2(77.49,68.1) v2(78.69,68.1) ; v2(77.49,68.1) v7(77.09,68.1) v7(77.09,67.7) v2(77.49,67.7) ; v7(83.06,59.69) v7(82.76,59.69) ; v7(83.06,59.69) 83.07,59.7 ; v7(83.06,59.69) 83.06,59.33 v7(83.09,59.3) 83.09,58.9 U1000.K3 ; v7(82.76,59.69) v3(82.76,60.06) v2(83.09,60.06) 83.09,59.72 83.07,59.7 ; v7(82.76,59.69) 82.3,59.69 v7(82.29,59.7) v2(82.29,59.3) ; v7(82.76,59.69) v7(82.76,59.31) 82.76,58.95 v1(82.76,58.95) ; U1000.N9 80.34,60.1 ; U1000.N9 v2(81.49,60.1) v2(81.49,60.5) ; U1000.N9 v2(80.69,59.7) ; U1000.N9 v7(80.69,60.5) v2(81.09,60.5) ; 80.34,60.1 v2(79.89,60.1) ; v7(69.49,68.5) v7(69.09,68.5) ; v7(69.49,68.5) v2(69.49,68.1) ; v7(69.09,68.5) v7(69.09,68.1) ; v7(69.09,68.5) v7(68.69,68.5) ; v7(73.89,57.33) v7(73.89,56.5) v7(73.89,56.1) v7(73.89,55.7) v2(73.49,55.7) ; v2(69.89,59.3) v2(69.89,59.7) v2(70.29,59.7) ; U1000.AD3 v7(83.49,64.5) 